# KiCad board bitdoglab_smd.kicad_pcb (continued)
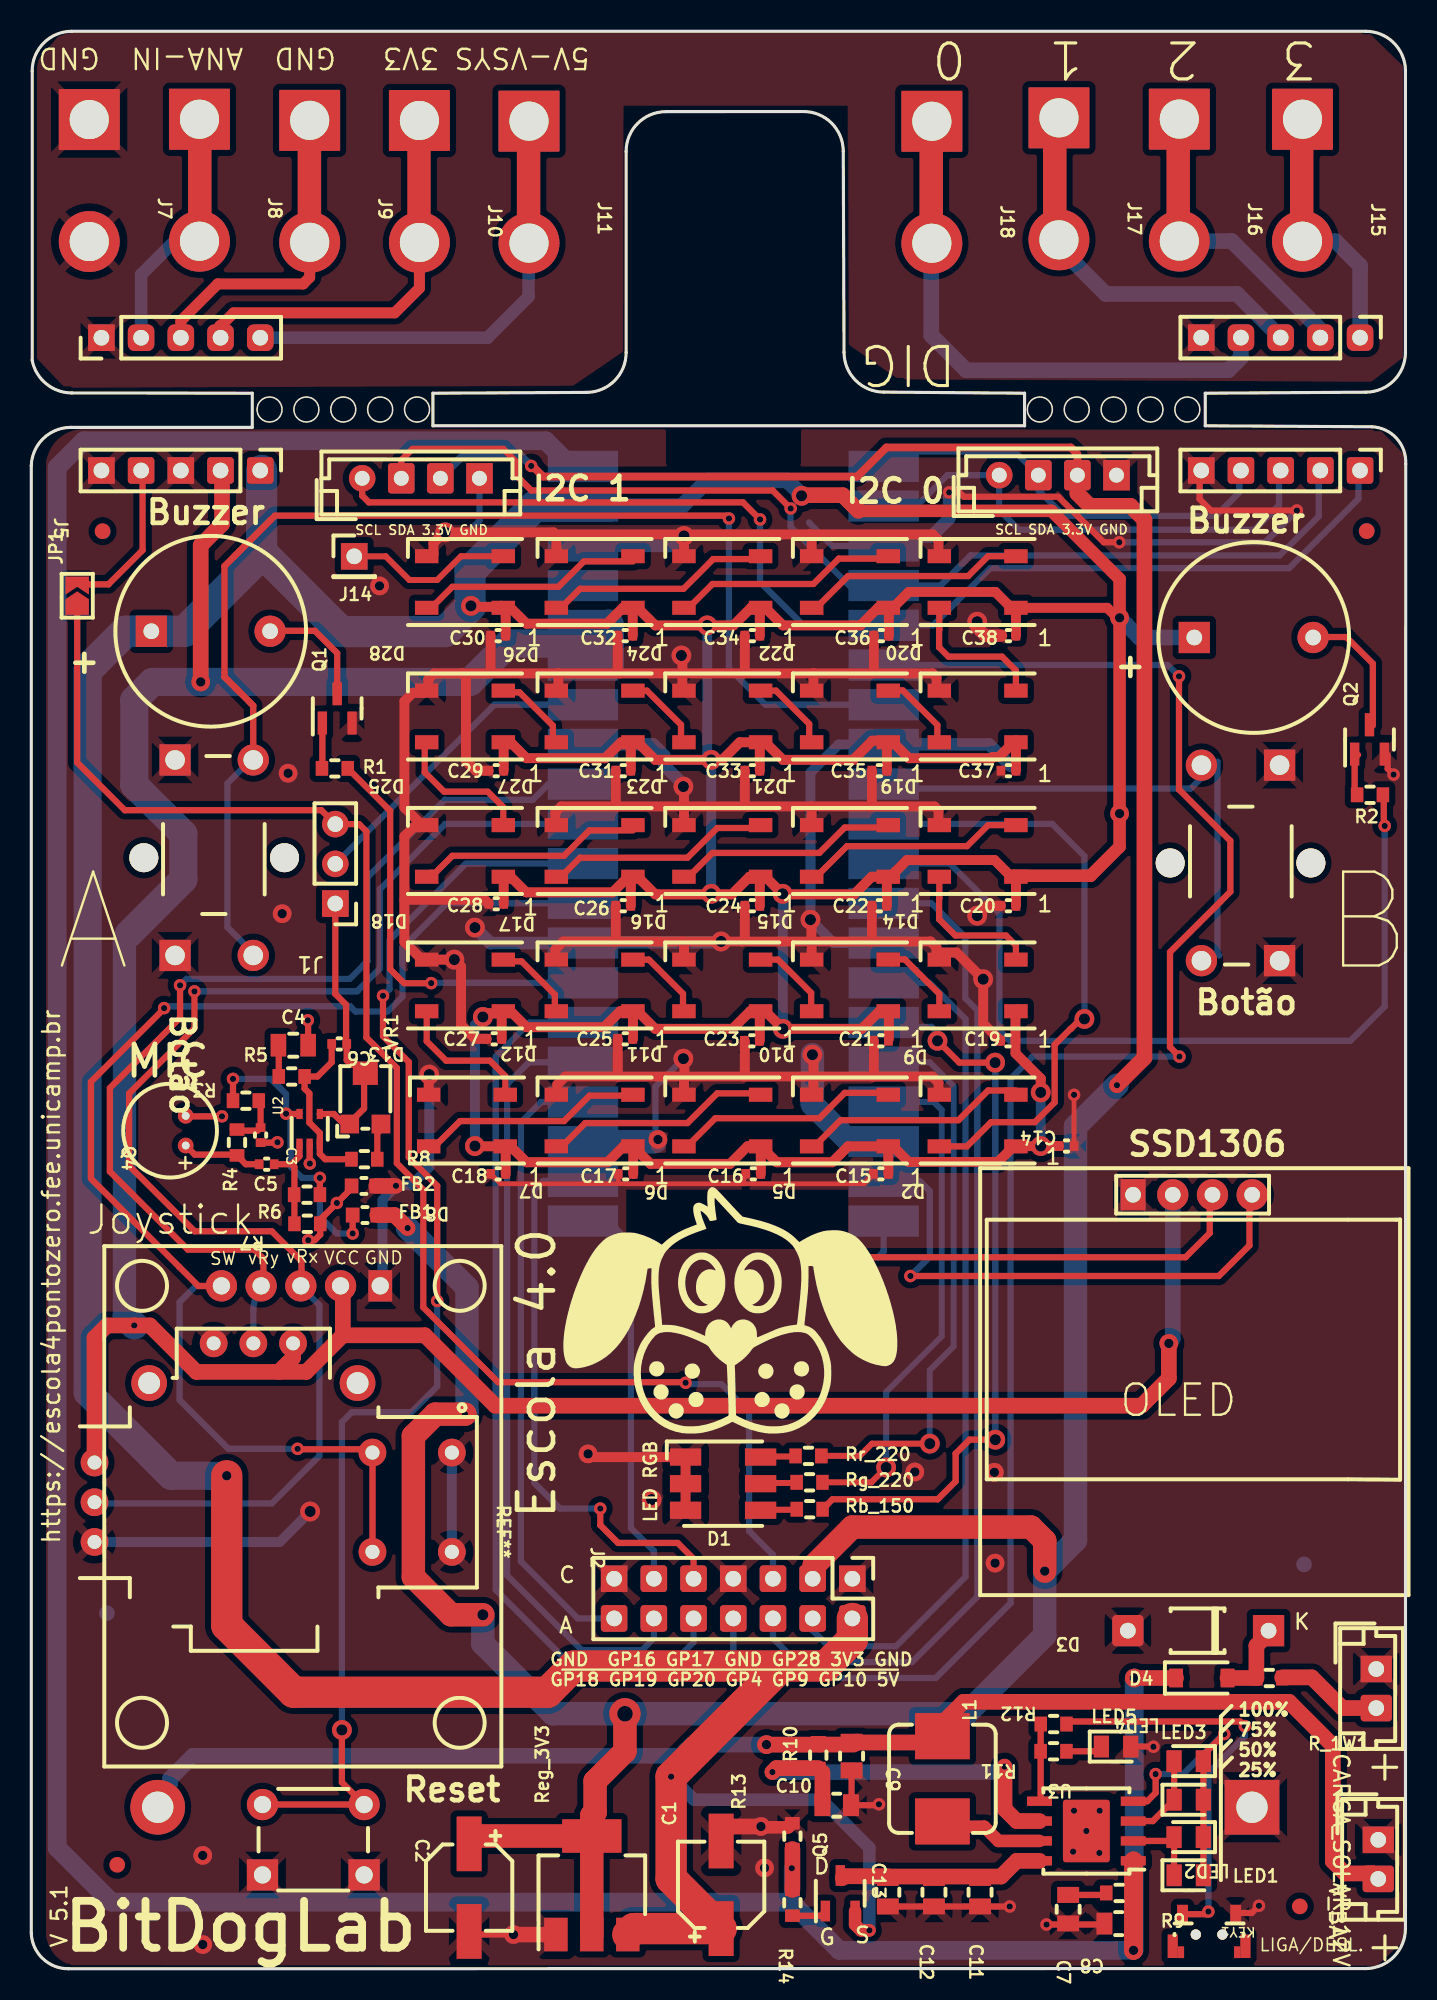
[diagram p0: board, top side]
## Footprints (pads in the part's own frame, mm; a bottom-side part is the same pattern mirrored in y, then rotated)
128x64OLED
  rect 1.6x2 hole 1: 1(-3.62,10.6)
  round 2 hole 1: 2(-1.08,10.6) 3(1.46,10.6) 4(4,10.6)
BatteryHolder_MPD_BH-18650-PC2
  round 3.5 hole 2: 1(0,0)
  rect 3.5x3.5 hole 2: 2(-70,0)
Buzzer_12x9.5RM7.6
  round 1 hole 0.5: 1(0.95,1) 2(-0.95,1)
Buzzer_12x9.5RM7.6#2
  rect 2x2 hole 1: 1(0,0)
  round 2 hole 1: 2(7.6,0)
C_0402_1005Metric
  rrect 0.56x0.62 smd: 1(-0.48,0) 2(0.48,0)
C_0805_2012Metric
  rrect 1x1.45 smd: 1(-0.95,0) 2(0.95,0)
CP_Elec_5x5.9
  rrect 3.5x1.6 smd: 1(-2.8,0) 2(2.8,0)
D_SOD-123
  rrect 0.9x1.2 smd: 1(-1.65,0) 2(1.65,0)
D_T-1_P5.08mm_Horizontal
  rect 2x2 hole 1: 1(-2,0)
  rrect 2x2 hole 1: 2(7,0)
Fiducial_1mm_Mask2mm
  round 1 smd: Un1(0,0)
JST_EH_B2B-EH-A_1x02_P2.50mm_Vertical
  rrect 1.7x2 hole 1: 1(0,0) 2(2.5,0)
JST_EH_B4B-EH-A_1x04_P2.50mm_Vertical
  round 1.7 hole 0.95: 1(0,0)
  rrect 1.7x1.95 hole 0.95: 2(2.5,0) 3(5,0)
  rect 1.7x1.95 hole 0.95: 4(7.5,0)
ky-023
  rect 2x1.524 hole 1.1: 1(2.54,-7.745)
  round 2 hole 1.1: 2(2.54,-10.285) 3(2.54,-12.825) 4(2.54,-15.365) 5(2.54,-17.905)
L_0603_1608Metric
  rrect 0.875x0.95 smd: 1(-0.787,0) 2(0.787,0)
L_Bourns_SRP7028A_7.3x6.6mm
  rect 2.95x3.5 smd: 1(-2.725,0) 2(2.725,0)
LED_0805_2012Metric
  rrect 0.975x1.4 smd: 1(-0.938,0) 2(0.938,0)
LED_RGB_5050-6
  rect 2x1.1 smd: 1(-2.4,1.7) 2(-2.4,0) 3(-2.4,-1.7) 4(2.4,-1.7) 5(2.4,0) 6(2.4,1.7)
LED_WS2812B_PLCC4_5.0x5.0mm_P3.2mm
  rect 1.5x0.9 smd: 1(-2.45,1.65) 2(-2.45,-1.65) 3(2.45,-1.65) 4(2.45,1.65)
PinHeader_1x01_P2.54mm_Vertical
  rect 1.7x1.7 hole 1: 1(0,0)
PinHeader_1x03_P2.54mm_Vertical
  rect 1.7x1.7 hole 1: 1(0,0)
  rrect 1.7x1.7 hole 1: 2(0,-2.54) 3(0,-5.08)
PinHeader_1x05_P2.54mm_Vertical
  rect 1.7x1.7 hole 1: 1(0,0)
  rrect 1.7x1.7 hole 1: 2(0,-2.54) 3(0,-5.08) 4(0,-7.62) 5(0,-10.16)
PinHeader_1x05_P2.54mm_Vertical#2
  rrect 1.7x1.7 hole 1: 1(0,0) 2(0,-2.54) 4(0,-7.62)
  rect 1.7x1.7 hole 1: 3(0,-5.08) 5(0,-10.16)
PinHeader_1x05_P2.54mm_Vertical#3
  rrect 1.7x1.7 hole 1: 1(0,0) 2(0,-2.54) 3(0,-5.08) 4(0,-7.62)
  rect 1.7x1.7 hole 1: 5(0,-10.16)
PinHeader_2x07_P2.54mm_Vertical
  rect 1.7x1.7 hole 1: 1(0,0) 7(0,-7.62) 13(0,-15.24)
  rrect 1.7x1.7 hole 1: 2(2.54,0) 3(0,-2.54) 4(2.54,-2.54) 5(0,-5.08) 6(2.54,-5.08) 8(2.54,-7.62) 9(0,-10.16) 10(2.54,-10.16) 11(0,-12.7) 12(2.54,-12.7) 14(2.54,-15.24)
Potentiometer_Bourns_TC33X_Vertical
  rect 1.2x1.2 smd: 1(-1.8,1) 3(-1.8,-1)
  rect 1.5x1.6 smd: 2(1.45,0)
R_0603_1608Metric
  rrect 0.8x0.95 smd: 1(-0.825,0) 2(0.825,0)
R_0603_1608Metric#2
  rrect 0.8x0.95 smd: 1(0.825,0) 2(-0.825,0)
R_0805_2012Metric
  rrect 1.025x1.4 smd: 1(-0.912,0) 2(0.912,0)
RPi_PicoW_SMD_TH
  rect 4.5x2 smd: 1(9.62,-24.13) 2(9.62,-21.59) 3(9.62,-19.05) 4(9.62,-16.51) 5(9.62,-13.97) 6(9.62,-11.43) 7(9.62,-8.89) 8(9.62,-6.35) 9(9.62,-3.81) 10(9.62,-1.27) 11(9.62,1.27) 12(9.62,3.81) 13(9.62,6.35) 14(9.62,8.89) 15(9.62,11.43) 16(9.62,13.97) 17(9.62,16.51) 18(9.62,19.05) 19(9.62,21.59) 20(9.62,24.13) 21(-9.62,24.13) 22(-9.62,21.59) 23(-9.62,19.05) 24(-9.62,16.51) 25(-9.62,13.97) 26(-9.62,11.43) 27(-9.62,8.89) 28(-9.62,6.35) 29(-9.62,3.81) 30(-9.62,1.27) 31(-9.62,-1.27) 32(-9.62,-3.81) 33(-9.62,-6.35) 34(-9.62,-8.89) 35(-9.62,-11.43) 36(-9.62,-13.97) 37(-9.62,-16.51) 38(-9.62,-19.05) 39(-9.62,-21.59) 40(-9.62,-24.13)
SolderJumper-2_P1.3mm_Open_TrianglePad1.0x1.5mm
  custom 1.5x1.5 smd: (0.275,0)
  custom 1.15x1.5 smd: (1.225,-0.75)
  rect 0.3x0.3 smd: 1(-0.725,0) 2(0.725,0)
SolderWire-2sqmm_1x02_P7.8mm_D2mm_OD3.9mm
  rrect 3.9x3.9 hole 2.5: 1(0,0)
  round 3.9 hole 2.5: 2(7.8,0)
SOP-8_5.28x5.23mm_P1.27mm
  rrect 1.6x0.6 smd: 1(-3,1.905) 2(-3,0.635) 3(-3,-0.635) 4(-3,-1.905) 5(3,-1.905) 6(3,-0.635) 7(3,0.635) 8(3,1.905)
  rrect 3x4 smd: 9(0,0)
SOT-23
  rrect 1.475x0.6 smd: 1(-0.938,0.95) 2(-0.938,-0.95) 3(0.938,0)
SOT-23-3
  rrect 1.325x0.6 smd: 1(-1.137,0.95) 2(-1.137,-0.95) 3(1.137,0)
SOT-223
  rect 2.15x1.5 smd: 1(-3.15,2.3) 2(-3.15,0) 3(-3.15,-2.3)
  rect 2.15x3.8 smd: 4(3.15,0)
SOT-353_SC-70-5
  rect 0.65x0.4 smd: 1(-0.95,0.65) 2(-0.95,0) 3(-0.95,-0.65) 4(0.95,-0.65) 5(0.95,0.65)
SW_PUSH_6mm
  round 2 hole 1.1: 1(0,0) 1(6.5,0)
  rect 2x2 hole 1.1: 2(0,-4.5) 2(6.5,-4.5)
SW_PUSH_6mm_b
  round 2 hole 1.25: 1(0,0) 1(12.5,0)
  rect 2x2 hole 1.25: 2(0,-5) 2(12.5,-5)
  round 1.85 hole 1.85: Un1(6.25,2) Un2(6.25,-7)
SW_SPST_CK_KMS2xxGP
  rrect 0.7x1.2 smd: 1(1.7,-1.3) 2(-1.7,-1.3)
  rect 0.4x0.75 smd: 3(1.8,1.13) 4(-1.8,1.13)
  rect 0.65x1.5 smd: 3(2.325,0.75) 4(-2.325,0.75)
  round 0.65 hole 0.65: Un1(-0.85,0) Un2(0.85,0)
XDCR_COM-09032
  round 1.778 hole 0.9: B1A(-3.175,12.7) B1B(3.175,12.7) B2A(-3.175,7.62) B2B(3.175,7.62)
  round 1.778 hole 0.889: H1(-2.54,-10.16) H2(0,-10.16) H3(2.54,-10.16) V1(-10.16,2.54) V2(-10.16,0) V3(-10.16,-2.54)
  round 2.286 hole 1.397: S1(-7.62,6.668) S2(-7.62,-6.668)

## Nets
+3.3V: C2.1 FB1.2 J2.3 J20.3 J21.3 Reg_3V3.2 Reg_3V3.4
/AGND_EXT: J6.3 J9.1 J9.2
AVCC: FB1.1 R3.2 R6.2 U2.5
GNDA: C3.2 C4.2 FB2.1 Q4.2 R7.1 U2.2
GNDREF: A1.3 A1.8 A1.13 A1.18 A1.23 A1.28 A1.33 A1.38 BT1.2 C1.2 C2.2 C7.2 C8.2 C9.2 C10.2 C11.2 C12.2 C13.2 C14.1 C15.1 C16.1 C17.1 C18.1 C19.1 C20.1 C21.1 C22.1 C23.1 C24.1 C25.1 C26.1 C27.1 C28.1 C29.1 C30.1 C31.1 C32.1 C33.1 C34.1 C35.1 C36.1 C37.1 C38.1 CARGA_SOLAR1.1 D1.1 D1.2 D1.3 D2.3 D3.2 D5.3 D6.3 D7.3 D8.3 D9.3 D10.3 D11.3 D12.3 D13.3 D14.3 D15.3 D16.3 D17.3 D18.3 D19.3 D20.3 D21.3 D22.3 D23.3 D24.3 D25.3 D26.3 D27.3 D28.3 FB2.2 J2.1 J2.7 J2.13 J5.3 J5.5 J6.1 J7.1 J7.2 J12.5 J13.5 J19.1 J20.4 J21.4 KEY1.2 LED5.2 OLED1.1 Q1.2 Q2.2 R13.2 REF**.B1A REF**.B1B REF**.H3 REF**.V3 Reg_3V3.1 SW1.2 SW2.2 SW3.2 U3.9 V_BAT1.1
VBUS: A1.40 C8.1 D4.1 R9.2 R13.1 R14.1 U3.1
3.3_OUT: A1.35 A1.36 J5.2 J19.2 OLED1.2 REF**.H1 REF**.V1
3.3_OUT_EXT: J6.4 J10.1 J10.2
/GP0: A1.1 J12.4 J21.2
/GP0_EXT: J13.4 J18.1 J18.2
/GP01: A1.2 J12.3 J21.1
/GP01_EXT: J13.3 J17.1 J17.2
/GP02: A1.4 J12.2 J20.2
/GP02_EXT: J13.2 J16.1 J16.2
/GP03: A1.5 J12.1 J20.1
/GP03_EXT: J13.1 J15.1 J15.2
/GP04: A1.6 J2.8
/GP08: A1.11 R2.1
/GP09: A1.12 J2.6
/GP10: A1.14 J2.4
/GP11: A1.15 Rb_150.2
/GP12: A1.16 Rr_220.2
/GP13: A1.17 Rg_220.2
/GP16: A1.21 J2.11
/GP17: A1.22 J2.9
/GP18: A1.24 J2.14
/GP19: A1.25 J2.12
/GP20: A1.26 J2.10
/GP28: J1.3 J2.5 JP1.1
/GP28_EXT: J6.2 J8.1 J8.2
/GP28_uC: A1.34 J1.2
/in: A1.10 D2.4
/pino_07: A1.7 SW2.1
/pino_09: A1.9 SW3.1
/pino_19: A1.19 OLED1.4
/pino_20: A1.20 OLED1.3
/pino_27: A1.27 R1.1
/pino_29: A1.29 J19.5 REF**.B2A REF**.B2B
/pino_30: A1.30 SW1.1
/pino_31: A1.31 J19.3 REF**.H2
/pino_32: A1.32 J19.4 REF**.V2
/pino_37: A1.37
V_BAT +: BT1.1 C9.1 L1.2 R10.2 V_BAT1.2
VSYS: A1.39 BZ1.1 BZ3.1 C1.1 C14.2 C15.2 C16.2 C17.2 C18.2 C19.2 C20.2 C21.2 C22.2 C23.2 C24.2 C25.2 C26.2 C27.2 C28.2 C29.2 C30.2 C31.2 C32.2 C33.2 C34.2 C35.2 C36.2 C37.2 C38.2 D2.1 D5.1 D6.1 D7.1 D8.1 D9.1 D10.1 D11.1 D12.1 D13.1 D14.1 D15.1 D16.1 D17.1 D18.1 D19.1 D20.1 D21.1 D22.1 D23.1 D24.1 D25.1 D26.1 D27.1 D28.1 J2.2 J5.1 Q5.2 Reg_3V3.3
VSYS_EXT: J6.5 J11.1 J11.2
Net-(BZ1-+): BZ1.2 Q1.3
Net-(BZ3-+): BZ3.2 Q2.3
Net-(C3-P$1): C3.1 R3.1 R4.2
Net-(C4-P$1): C4.1 R5.1
Net-(C5-P$1): C5.1 Q4.1 R4.1
Net-(C5-P$2): C5.2 R6.1 R7.2 U2.1
Net-(C6-P$1): C6.1 J1.1 U2.4 VR1.1 VR1.2
Net-(C6-P$2): C6.2 R5.2 R8.1 U2.3
Net-(C7-Pad1): C7.1 R9.1
Net-(CARGA_SOLAR1-Pin_2): CARGA_SOLAR1.2 R_1W1.2
Net-(D1-BA): D1.4 Rb_150.1
Net-(D1-GA): D1.5 Rg_220.1
Net-(D1-RA): D1.6 Rr_220.1
Net-(D2-DOUT): D2.2 D5.4
Net-(D3-K): D3.1 D4.2 R_1W1.1
Net-(D5-DOUT): D5.2 D6.4
Net-(D6-DOUT): D6.2 D7.4
Net-(D7-DOUT): D7.2 D8.4
Net-(D10-DIN): D10.4 D11.2
Net-(D10-DOUT): D9.4 D10.2
Net-(D11-DIN): D11.4 D12.2
Net-(D12-DIN): D12.4 D13.2
Net-(D13-DIN): D8.2 D13.4
Net-(D14-DIN): D9.2 D14.4
Net-(D14-DOUT): D14.2 D15.4
Net-(D15-DOUT): D15.2 D16.4
Net-(D16-DOUT): D16.2 D17.4
Net-(D17-DOUT): D17.2 D18.4
Net-(D18-DOUT): D18.2 D25.4
Net-(D19-DIN): D19.4 D21.2
Net-(D19-DOUT): D19.2 D20.4
Net-(D20-DOUT): D20.2 D22.4
Net-(D21-DIN): D21.4 D23.2
Net-(D22-DOUT): D22.2 D24.4
Net-(D23-DIN): D23.4 D27.2
Net-(D24-DOUT): D24.2 D26.4
Net-(D25-DOUT): D25.2 D27.4
Net-(D26-DOUT): D26.2 D28.4
Net-(D28-DOUT): D28.2 J14.1
Net-(J5-Pin_4): J5.4 JP1.2
Net-(KEY1-Pad1): KEY1.1 R12.1
Net-(LED1-A): LED1.1 LED2.2 U3.2
Net-(LED1-K): LED1.2 LED2.1 LED3.2 LED4.1 U3.4
Net-(LED3-A): LED3.1 LED4.2 U3.3
Net-(LED5-A): LED5.1 R11.1
Net-(Q1-B): Q1.1 R1.2
Net-(Q2-B): Q2.1 R2.2
Net-(Q5-D): C11.1 C12.1 C13.1 Q5.3 U3.8
Net-(Q5-G): Q5.1 R14.2
Net-(U3-BAT): C10.1 R10.1 U3.6
Net-(U3-KEY): R11.2 R12.2 U3.5
Net-(U3-SW): L1.1 U3.7
Net-(VR1-E): R8.2 VR1.3

Pads without a net: FID1 Un1; FID2 Un1; FID3 Un1; FID4 Un1; FID5 Un1; FID6 Un1; FID7 Un1; FID8 Un1; KEY1 3 4 Un1 Un2; REF** S1 S2; SW2 Un1 Un2; SW3 Un1 Un2

## Via types
v1: diameter 0.8, hole 0.4, Top to Bottom, 57 vias
v2: diameter 1.2, hole 0.6, Top to Bottom, 23 vias
v3: diameter 1.27, hole 0.711, Top to Bottom, 35 vias
v4: diameter 2, hole 1, Top to Bottom, 1 via

## Routing (per net, layer and track width the routed paths; a pad name or vN(x,y) marks a point on that pad's centre or on a via; arc(x,y) is an arc through that point)
+3.3V: length 242.1
  Top w0.5: v1(31.98,96.1) 32.06,96.1 32.74,95.42 52.84,95.42 54.7,97.28 66.5,97.28 66.78,97 ; J21.3 66.92,96.86
  Top w1: FB1.2 23.24,48.2 v1(24.07,47.36) ; J21.3 66.92,94.34 67.71,93.55 70.32,93.55 71.21,92.66 71.21,58.26 v1(69.45,56.5)
  Top w1.5: Reg_3V3.4 28.51,8.49 C2.1 ; v2(64.83,25.43) 64.83,27.36 63.95,28.24 52.53,28.24 50.09,25.8 50.09,25.04 J2.3 ; Reg_3V3.2 35.86,9.8 36.07,10.01 36.07,12 37.98,13.91 v4(37.98,16.3) ; v1(27.74,35.46) 25.84,35.46 24.44,34.06 24.44,25.05 26.86,22.63 v3(28.89,22.63)
  Bottom w0.5: v1(31.98,96.1) 31.27,96.81 27.67,96.81 J20.3
  Bottom w1.5: v1(69.45,56.5) 66.8,53.85 66.8,27.4 v2(64.83,25.43) 64.83,21.32 59.82,16.3 v4(37.98,16.3) 33.37,16.3 28.89,20.79 v3(28.89,22.63) ; v1(27.74,35.46) 27.87,35.59 27.87,43.56 v1(24.07,47.36)
/AGND_EXT: length 20.5
  Top w0.7: J9.2 17.81,108.16 17.39,107.74 11.93,107.74 9.57,105.37 J6.3
  Top w1.5: 17.79,110.35 17.79,118.15
AVCC: length 20.3
  Top w0.4: 18.46,50.58 v1(18.46,50.57) R6.2 ; R3.2 v1(12.9,56.9) 12.9,56.91 ; v1(20.56,47.02) FB1.1 ; U2.5 16.3,54.66 v1(16.3,54.68)
  Bottom w0.4: v1(20.56,47.02) 19.54,47.02 18.46,48.09 v1(18.46,50.57) 17.32,50.57 16.6,51.3 16.6,54.38 v1(16.3,54.68) 16.3,55.93 15.32,56.9 v1(12.9,56.9)
GNDA: length 11.1
  Top w0.4: C4.2 17.71,60.63 v1(17.69,60.65) ; v1(17.82,51.49) 17.81,51.48 U2.2 ; C3.2 15.73,52.83 v1(15.75,52.85) ; FB2.1 20.49,49.91 v1(19.55,48.97) 18.48,47.9 R7.1 18.48,46.94 18.13,46.59 v1(17.72,46.59) ; v1(12.2,54.51) 9.99,54.51 9.92,54.58
GNDREF: length 489.8
  Top w0.305: 37.59,50.19 37.55,50.23 C17.1 ; 37.59,50.19 30.02,50.19 29.55,50.67 29.52,50.67 29.46,50.73 29.46,50.76 C18.1 ; 37.59,50.19 45.59,50.19 ; C15.1 53.87,50.8 53.26,50.19 45.59,50.19 ; C16.1 45.59,50.71 45.59,50.19 ; C14.1 v1(66.71,55.88)
  Top w0.381: v3(39.68,30) 39.73,29.95
  Top w0.4: 28.01,2.24 28.06,2.19 ; 28.06,2.19 v2(30.85,2.19) ; 28.06,2.19 28.03,2.19 27.79,1.95 ; v1(58.72,94.41) 59.38,94.41 59.66,94.13 65.7,94.13 68.61,91.22 v1(69.6,91.22) ; 62.62,4.02 v1(62.59,3.98) C11.2 C12.2 C13.2 ; C9.2 52.47,10.49 C10.2 54.16,10.46 v1(54.22,10.52) ; 86.77,77.62 86.77,76.74 v1(87.15,76.36) ; 23.32,50.06 v1(23.33,50.07) ; v2(46.68,9.1) 46.88,9.3 ; v1(80.96,93.25) 75.47,93.25 74.74,93.98 74.74,95.81 ; v1(78.53,4.03) 78.07,3.57 77.11,3.57 ; LED5.2 71.77,14.21 v1(71.78,14.2) ; C8.2 68.59,2.83 v1(64.94,2.83) 64.9,2.83
  Top w0.635: C35.1 53.77,74.51 53.59,74.32 ; 41.65,82.83 45.59,82.83 ; 41.65,82.83 41.65,81.83 D23.3 ; 41.65,82.83 41.65,83.91 v3(41.59,83.98) ; 41.65,82.83 37.68,82.83 ; 45.59,82.83 45.64,82.89 C34.1 ; 45.59,82.83 50.03,82.83 ; 45.59,57.05 50.03,57.05 ; 45.59,57.05 45.64,57.11 45.64,59.34 ; 45.59,57.05 41.78,57.05 ; 50.03,57.05 53.84,57.05 ; 50.03,57.05 50.03,58.38 v3(49.97,58.45) ; 50.03,57.05 50.03,56.12 49.92,56.01 ; 58.09,56.16 58.03,56.21 58.03,56.67 57.65,57.05 53.84,57.05 ; 23.87,68.35 23.87,72.42 24.45,72.99 24.86,72.99 24.86,73.13 ; 23.87,68.35 23.87,65.65 24.74,64.78 ; 23.87,68.35 29.01,68.35 C28.1 ; 53.84,57.05 53.9,57.11 53.9,59.34 ; 49.91,65.69 49.91,67.02 v3(49.84,67.08) ; 49.91,65.69 45.46,65.69 ; 49.91,65.69 53.72,65.69 ; 49.91,65.69 49.92,65.67 D10.3 ; 27.55,82.83 29.33,82.83 ; 27.55,82.83 25.78,82.83 25.4,82.45 25.4,81.83 D25.3 25.16,81.59 24.41,81.59 23.87,81.05 23.87,74.25 24.99,73.13 D18.3 ; 27.55,82.83 27.81,82.58 27.81,77.24 28.44,76.61 C29.1 ; 29.33,82.83 33.71,82.83 ; 29.33,82.83 29.39,82.89 C30.1 ; D16.3 41.75,74.32 ; 41.75,74.32 41.75,75.55 v3(41.71,75.59) ; 41.75,74.32 45.84,74.32 ; 41.75,74.32 37.46,74.32 ; 45.84,74.32 49.91,74.32 ; 45.84,74.32 45.64,74.52 C33.1 ; 49.91,74.32 53.59,74.32 ; 49.91,74.32 49.92,74.31 D15.3 ; 41.65,65.69 41.75,65.58 D11.3 ; 41.65,65.69 v3(44.13,65.69) 45.46,65.69 ; 41.65,65.69 37.33,65.69 ; 50.03,82.83 50.03,81.84 D21.3 ; 50.03,82.83 53.84,82.83 ; C22.1 53.77,65.74 53.72,65.69 ; C27.1 28.38,59.46 27.49,60.35 27.49,64.1 v3(27.06,64.53) D13.3 ; C20.1 61.15,67.97 v3(60.51,67.34) ; 53.72,65.69 57.53,65.69 57.91,65.31 57.91,64.98 59.18,64.98 v3(60.89,63.27) 60.89,60.44 C19.1 ; D12.3 33.52,64.59 33.52,65.18 34.03,65.69 37.33,65.69 ; 41.78,57.05 37.59,57.05 ; 41.78,57.05 41.75,57.03 41.75,55.98 ; 41.78,57.05 41.78,58.13 v3(41.71,58.19) ; C36.1 53.9,82.89 53.84,82.83 ; 45.46,65.69 45.64,65.87 C24.1 ; D27.3 33.71,81.85 33.71,82.83 ; 53.59,74.32 57.78,74.32 58.03,74.07 58.03,73.18 D14.3 ; 37.46,74.32 33.9,74.32 33.52,73.94 33.52,73.19 D17.3 ; 37.46,74.32 37.39,74.39 C31.1 ; 33.71,82.83 37.68,82.83 ; D26.3 33.59,91.66 33.52,91.72 ; 37.59,57.05 37.52,57.12 C25.1 ; 37.59,57.05 34.16,57.05 33.65,56.54 33.65,55.95 D7.3 ; D28.3 25.59,90.32 25.73,90.46 25.73,91.16 26.42,91.85 v3(26.47,91.85) 33.4,91.85 33.52,91.72 ; D24.3 v3(41.75,91.62) ; 37.33,65.69 37.39,65.74 C26.1 ; 33.52,91.72 49.78,91.72 ; D19.3 58.04,81.73 57.91,81.86 57.91,82.58 57.65,82.83 53.84,82.83 ; C32.1 37.52,83 37.68,82.83 ; D2.3 58.22,56.02 ; 49.78,91.72 57.66,91.72 58.03,91.35 58.03,90.38 D20.3 ; 49.78,91.72 49.92,91.58 D22.3 ; D1.3 D1.2 D1.1 35.98,32.72 35.77,32.92 v2(35.62,32.92) ; D8.3 25.42,57.14 v3(25.46,57.18)
  Top w0.8: R13.2 48.43,9.05 46.73,9.05 v2(46.68,9.1) ; v3(60.51,86.13) 60.51,85.75 61.02,85.25 C38.1
  Top w1: FB2.2 23.32,50.06 ; v2(30.85,2.19) Reg_3V3.1 ; 44.07,9.1 v2(46.68,9.1)
  Bottom w0.4: 39.9,52.89 40.04,53.03 v2(40.09,53.03) 39.93,53.18 39.93,56.41 v3(41.71,58.19) ; v1(80.96,93.25) 78.93,91.22 v1(69.6,91.22) ; J20.4 28.67,92.6 27.92,91.85 v3(26.47,91.85) ; 52.9,52.89 A1.18 ; 53.9,90.99 51.23,90.99 49.76,92.46 49.76,92.49
  Bottom w0.635: 22.47,43.66 22.47,49.16 23.33,50.02 v1(23.33,50.07) 23.36,50.1 24.29,50.1 25.46,51.26 v3(25.46,57.18) ; A1.8 51.65,78.29 49.84,76.48 v3(49.84,67.08) 51.34,65.59 A1.13 ; REF**.H3 15.89,27.29 v3(17.84,29.24) ; REF**.B1B REF**.B1A
  Bottom w0.8: 53.9,90.99 A1.3 55.13,91.59 57.58,91.59 58.72,92.72 v1(58.72,94.41) ; v3(44.13,65.69) 44.08,65.64 35.34,65.64 A1.28 29.37,65.59 v3(28.38,66.58) ; v3(41.75,91.62) 41.63,91.62 40.99,90.99 A1.38 ; A1.33 39.78,78.29 40.49,77.58 40.49,76.94 41.71,75.72 v3(41.71,75.59) ; 62.65,76.92 61.28,78.29 A1.8
  Bottom w1.5: v3(49.97,58.45) 49.97,55.27 52.36,52.89 52.9,52.89 ; 36.92,52.89 39.9,52.89
  vias: v1(66.64,7.49) v1(66.7,10.11) v1(67.49,8.81) v1(68.34,10.11) v1(68.32,7.41) v2(10.97,7.25) v2(10.97,1.55) v2(16.05,67.47) v2(16.43,76.45) v2(22.28,88.43) v2(35.2,42.55) v2(46.91,6.45) v2(56.52,31.77) v2(61.61,31.75) v2(61.65,25.94)
VBUS: length 235.5
  Top w0.4: 70.41,4.49 70.39,4.51 70.39,6.8 U3.1
  Top w0.8: U3.1 70.49,2.91 C8.1
  Top w1: v2(70.56,18.59) D4.1 ; R14.1 R13.1
  Top w1.2: v2(70.51,1.18) 70.51,6.9
  Bottom w1: 48.28,4.26 48.65,4.63 v1(48.65,6.43) 48.65,4.22 ; v2(70.51,1.18) 70.56,1.23 ; 34.55,96.07 36.92,96.07
  Bottom w1.2: 70.56,1.23 v2(70.56,18.59) ; v2(70.51,1.18) 51.69,1.18 48.65,4.22 ; 34.55,96.07 32.91,97.71 3.36,97.71 1.66,96.01 1.66,7.73 5.13,4.26 48.28,4.26
3.3_OUT: length 190.7
  Top w1: 12.2,95.81 12.2,92.38 10.84,91.02 v2(10.84,82.29) ; REF**.H1 4.05,40.34 4.84,41.14 v1(6.59,41.14) 7.59,41.14 10.56,38.17 15.84,38.17 ; 19.93,40.51 25.18,40.51 29.68,36.01 71.03,36.01 72.77,37.75 v2(72.77,39.99) ; 19.93,40.51 17.59,38.17 15.84,38.17 ; 19.93,40.51 19.93,43.66 ; 15.84,38.17 16.75,39.07 REF**.V1
  Bottom w0.4: 72.7,40.06 v2(72.77,39.99)
  Bottom w1: v2(72.77,39.99) 72.77,40.04 73.02,40.29 OLED1.2
  Bottom w1.5: 6.24,41.49 5.96,41.77 5.96,65.89 6.24,66.17
  Bottom w1.8: 6.24,41.49 v1(6.59,41.14) ; 6.24,66.17 9.73,69.66 9.73,72.57 6.59,75.71 6.59,81.13 7.75,82.29 v2(10.84,82.29) 28.07,82.29 30.52,84.74 36.92,84.74
  Bottom w2: 36.92,83.37 36.92,85.91
3.3_OUT_EXT: length 25.2
  Top w0.7: J10.2 24.83,107.47 23.25,105.89 12.95,105.89 12.11,105.04
  Top w0.8: J6.4 12.11,105.04
  Top w1.5: 24.8,110.35 24.8,118.15
/GP0: length 29.1
  Bottom w0.4: 77.28,95.81 77.28,94.41 75.78,92.91 66.07,92.91 64.42,94.56 J21.2 62.9,97.03 56.28,97.03 55.32,96.07 52.9,96.07
/GP0_EXT: length 36.1
  Top w1.5: 57.57,110.36 57.57,118.16
  Bottom w1: J13.4 77.38,103.02 76.58,102.22 59.81,102.22 57.57,104.45 57.57,110.36
/GP01: length 33.4
  Bottom w0.4: 52.9,93.53 56.62,93.53 58.6,95.51 J21.1 61.92,93.29 63.19,92.02 78.25,92.02 79.82,93.59 79.82,95.81
/GP01_EXT: length 24.8
  Top w1.5: 65.47,110.36 65.47,118.16
  Bottom w1: 65.47,110.36 68.73,107.1 77.13,107.1 J13.3
/GP02: length 69.6
  Top w0.4: J20.2 23.67,96.47 24.39,97.19 30.2,97.19 31.06,96.33 31.06,95.46 31.99,94.53 47.43,94.53 v1(48.58,93.38)
  Bottom w0.4: 82.36,95.81 82.36,92.88 79.86,90.38 60.09,90.38 58.16,88.45 A1.4 ; v1(48.58,93.38) 48.57,93.37 48.57,92.22 52.34,88.45 54.39,88.45
/GP02_EXT: length 19.7
  Top w1.5: 73.37,110.36 73.37,118.16
  Bottom w1: J16.2 76.79,110.48 82.46,104.8 J13.2
/GP03: length 76.6
  Top w0.4: J20.1 21.17,94.2 21.6,93.77 45.53,93.77 v1(46.62,92.68)
  Bottom w0.4: v1(46.62,92.68) 46.62,88.68 49.39,85.91 53.8,85.91 ; 53.8,85.91 A1.5 57.69,85.91 61.34,89.56 80.46,89.56 84.9,94 84.9,95.81 ; 53.8,85.91 53.95,86.06 54.53,86.06
/GP03_EXT: length 17.3
  Top w1.5: 81.27,110.36 81.27,118.16
  Bottom w0.4: 80.72,110.36 81.27,110.36
  Bottom w1: J15.2 83.44,110.47 85,108.9 J13.1
/GP04: length 116.1
  Top w0.4: v1(73.45,58.33) 72.84,58.93 72.84,65.01 76.7,68.87 76.7,72.12 73.42,75.41 v1(73.42,82.65)
  Bottom w0.4: v1(73.42,82.65) 72.7,83.37 52.9,83.37 ; J2.8 44.91,19.86 46.18,18.59 57.86,18.59 62.65,23.38 62.65,56.93 64.05,58.33 v1(73.45,58.33)
/GP08: length 57
  Top w0.4: 86.52,75.06 86.52,73.14 v1(86.58,73.08)
  Bottom w0.4: v1(86.58,73.08) 86.58,61.54 84.38,59.34 62.6,59.34 61.93,60.01 61.93,67.52 61.79,67.66 61.78,67.66 58.77,70.67 53.15,70.67
/GP09: length 66.9
  Bottom w0.4: J2.6 47.45,21.13 48.97,19.61 56.34,19.61 60.52,23.79 60.52,61.29 59.75,62.06 59.75,65.97 57.59,68.13 52.9,68.13
/GP10: length 56.3
  Bottom w0.4: J2.4 49.99,21.64 51,20.62 55.32,20.62 59.76,25.07 59.76,60.73 57.45,63.05 52.9,63.05
/GP11: length 48.2
  Top w0.4: v3(61.65,57.94) 59.37,57.94 v3(57.97,59.34) ; v3(61.67,33.83) 60.02,33.83 59.13,32.94 59.13,31.16 57.99,30.02 51.26,30.02 50.9,29.66 50.82,29.66 50.62,29.46 Rb_150.2
  Bottom w0.4: v3(61.67,33.83) 61.67,57.93 v3(61.65,57.94) ; v3(57.97,59.34) 57.97,59.85 57.59,60.23 54.81,60.23 A1.15 52.9,60.51
/GP12: length 35.9
  Top w0.381: 57.42,33.63 v3(57.48,33.58) 53.78,33.58 53,32.79 Rr_220.2
  Bottom w0.381: v3(57.48,33.58) 57.48,38.27 59,39.8 59,56.44 57.47,57.97 A1.16
/GP13: length 32.7
  Top w0.381: Rg_220.2 53.74,31.1 54.68,32.05 v3(54.68,32.05)
  Bottom w0.381: A1.17 57.73,55.43 58.24,54.91 58.24,40.43 54.68,36.88 v3(54.68,32.05)
/GP16: length 24.1
  Bottom w0.4: J2.11 39.83,26.72 38.36,28.18 38.36,46.37 36.92,47.81
/GP17: length 37.8
  Top w0.4: v1(36.4,29.43) 36.4,28.37 37.54,27.23 41.35,27.23 42.37,26.21 J2.9
  Bottom w0.4: 36.92,50.35 36.89,50.38 32.75,50.38 32.18,49.81 32.18,31.07 33.82,29.43 v1(36.4,29.43)
/GP18: length 41.7
  Bottom w0.4: J2.14 34.96,22.4 31.32,26.05 31.32,54.13 32.62,55.43 36.92,55.43
/GP19: length 51.4
  Bottom w0.4: 36.92,57.97 31.84,57.97 30.44,56.57 30.44,25.15 35.22,20.37 39.06,20.37 39.83,21.13 J2.12
/GP20: length 59
  Bottom w0.4: 36.92,60.51 31.89,60.51 29.71,58.33 29.71,24.23 34.58,19.35 40.84,19.35 42.37,20.88 J2.10
/GP28: length 97.1
  Top w0.4: JP1.1 2.94,77.13 5.99,74.08 18.56,74.08 J1.3 20.97,73.19 21.44,72.72 21.44,59.55 23.39,57.6 23.39,51.5 25.08,49.81 25.08,42.29 29.86,37.51 41.82,37.51 v1(41.86,37.47)
  Bottom w0.4: v1(41.86,37.47) 41.94,37.39 44.14,37.39 45.92,35.61 45.92,27.99 47.45,26.46 J2.5
/GP28_EXT: length 16.9
  Top w1.5: 10.78,110.35 10.78,118.15
  Bottom w0.4: 10.78,110.35 11.19,110.35
  Bottom w0.8: J8.2 9.17,110.47 7.03,108.32 J6.2
/GP28_uC: length 20.1
  Bottom w0.4: A1.34 29.62,80.83 J1.2
/in: length 40.5
  Top w0.4: D2.4 59.86,52.59 61.4,54.13 64.19,54.13 65.46,55.4 65.46,59.08 66.48,60.1 66.5,60.1 67.13,60.73 v3(67.37,60.73)
  Bottom w0.4: v3(67.37,60.73) 67.37,71.15 65.31,73.21 A1.10 52.9,73.21
/pino_07: length 87.9
  Top w0.4: 12.36,82.61 12.36,89.69 ; 12.36,82.61 13.2,81.76 ; 12.36,82.61 14.2,80.77 ; 15.33,92.66 15.59,92.92 44.45,92.92 v1(44.63,92.74) ; 15.33,92.66 13.97,91.3 ; 15.33,92.66 12.36,89.69 ; 13.97,91.3 12.36,89.69 ; 13.97,91.3 12.98,90.31 ; 13.2,81.76 14.2,80.77 ; 13.2,81.76 12.98,81.99 ; 14.2,77.45 14.2,80.77
  Bottom w0.4: v1(44.63,92.74) 44.63,83.17 46.97,80.83 52.9,80.83 ; 14.2,77.45 12.55,75.8 12.55,66.6 14.2,64.95
/pino_09: length 36.2
  Bottom w0.4: 52.9,75.75 53.18,75.47 74.17,75.47 75.88,77.18 75.88,64.92 76,64.8
/pino_19: length 36.5
  Top w0.4: 77.93,49.49 77.93,46.25 75.97,44.3 v1(56.24,44.3)
  Bottom w0.4: 52.9,50.35 A1.19 56.86,50.35 57.48,49.73 57.48,45.53 v1(56.24,44.3)
/pino_20: length 29.3
  Top w0.4: v1(52.9,45.5) 73.84,45.5 75.39,47.04 75.39,49.49
  Bottom w0.4: v1(52.9,45.5) 54.16,45.5 54.53,45.86 A1.20
/pino_27: length 28.4
  Top w0.4: 25.59,63.02 23.85,63.02 22.96,63.91 22.96,74.04 R1.1
  Bottom w0.4: 25.48,63.05 A1.27 36.92,63.05
  vias: v1(25.58,63.02)
/pino_29: length 85.4
  Top w0.4: REF**.B2B REF**.B2A 21.62,33.22 17.07,33.22 v1(17.04,33.25) ; v1(8.5,61.43) 8.5,61.4 3.82,56.72 3.82,50.53 10.69,43.66 12.31,43.66
  Bottom w0.4: v1(8.5,61.43) 8.62,61.55 20.4,61.55 20.74,61.21 22.79,61.21 23.74,62.16 23.74,65.29 26.58,68.13 A1.29 ; v1(17.04,33.25) 12.61,33.25 9.49,36.37 9.49,42.63 10.52,43.66 12.31,43.66
/pino_30: length 84.8
  Top w0.4: v1(25.97,42.7) 25.97,50.07 24.15,51.89 24.15,57.98 22.5,59.63 v1(22.5,62.22) ; SW1.1 SW1.1 19.87,11.92 v3(19.87,15.27)
  Bottom w0.4: v1(22.5,62.22) 22.92,62.64 22.92,65.79 27.8,70.67 36.92,70.67 ; v1(25.97,42.7) 25.97,37.24 24.32,35.59 20.51,35.59 19.87,34.95 v3(19.87,15.27)
/pino_31: length 87
  Top w0.4: 17.29,43.76 17.29,45.26 15.39,47.16 10.45,47.16 6.26,51.35 6.26,55.97 10.44,60.15 v1(10.44,62.5)
  Bottom w0.4: 17.39,43.48 18.43,42.44 18.43,32.8 15.39,29.76 4.12,29.76 REF**.H2 ; v1(10.44,62.5) 10.45,62.51 20.85,62.51 22.3,63.96 22.3,69.03 26.48,73.21 A1.31
/pino_32: length 65.9
  Top w0.4: 14.85,43.66 14.85,45.41 14.27,45.99 10.02,45.99 5.03,50.98 5.03,56.32 9.52,60.8 v1(9.52,62.89)
  Bottom w0.4: 35.51,75.75 33.08,75.75 32.08,74.75 26.46,74.75 21.51,69.8 21.51,64.44 20.37,63.3 9.93,63.3 v1(9.52,62.89) ; REF**.V2 14.21,42.1 arc(14.37,42.94) 14.85,43.66
V_BAT +: length 90.8
  Top w0.4: 50.42,14.33 50.43,14.33 ; 52.81,14.53 52.49,14.21 ; L1.2 58.28,15.71
  Top w1: 50.43,14.33 52.61,14.33 ; v2(47.03,14.33) 50.42,14.33 ; 57.99,14.53 57.93,14.47 52.88,14.47 52.81,14.53 ; V_BAT1.2 85.81,6.09 84.04,6.09 83.26,6.87 83.26,14.27 80.47,17.07 59.64,17.07 58.28,15.71
  Bottom w1: BT1.1 8.09,11 8.87,11.78 8.87,12.14 10.35,13.62 41.51,13.62 42.22,14.33 v2(47.03,14.33)
VSYS: length 539.8
  Top w0.635: 38.19,78.43 37.73,78.43 36.72,77.41 31.68,77.41 30.62,78.47 ; D10.1 54.86,61.19 54.86,59.46 ; D22.1 54.86,86.99 C36.2 ; 54.52,69.83 53.76,69.83 52.64,68.7 48.08,68.7 ; 38.48,69.83 38.35,69.69 C26.2 ; D15.1 55.12,69.83 55.25,69.96 55.25,70.13 56.02,70.89 61.62,70.89 62.55,69.96 62.85,69.96 D14.1 C20.2 ; C29.2 30.22,78.4 D25.1 ; D7.1 39.61,51.46 44.69,51.46 45.82,52.59 D6.1 46.67,52.59 ; D7.1 38.51,52.57 C17.2 ; D7.1 37.89,52.59 36.87,51.57 31.68,51.57 30.62,52.63 ; C27.2 30.09,61.13 ; 30.09,61.13 D13.1 ; 30.09,61.13 30.06,61.09 29.29,61.09 29.06,60.86 v3(28.89,60.86) ; 55.12,78.43 56.14,77.41 61.44,77.41 61.52,77.49 61.9,77.49 62.99,78.57 ; 46.6,59.34 46.6,61.18 D11.1 ; v3(28.13,87.15) 28.19,87.09 30.01,87.09 30.07,87.15 D28.1 30.22,87.02 30.35,86.89 C30.2 ; 62.96,59.46 62.96,61.2 ; C32.2 38.48,87.01 ; 38.79,61.23 39.91,60.1 44.86,60.1 45.98,61.23 46.35,61.23 ; D2.1 63,52.6 64.57,52.6 v3(64.57,52.61) C14.2 ; 38.19,61.23 37.67,61.23 36.66,60.21 31.68,60.21 30.62,61.27 ; C34.2 46.6,86.97 D24.1 ; 46.95,69.83 48.06,68.73 ; C19.2 62.96,58.54 64.57,56.92 v3(64.57,56.04) ; C24.2 46.6,69.78 D16.1 ; v2(69.62,86.39) 69.47,86.39 68.83,87.02 D20.1 ; v3(28.38,52.61) 28.4,52.59 D8.1 ; 38.79,69.83 39.91,68.7 44.82,68.7 45.94,69.83 46.35,69.83 ; 46.95,78.43 48.08,77.3 52.58,77.3 53.8,78.53 54.42,78.53 54.52,78.43 ; C16.2 46.67,52.59 ; 46.67,52.59 47.69,51.57 51.24,51.57 52.26,52.59 D5.1 54.83,52.59 ; C33.2 46.6,78.38 D23.1 45.32,78.43 44.2,77.3 v3(43.49,77.3) 39.91,77.3 38.79,78.43 ; 38.19,69.83 37.19,68.83 31.66,68.83 30.62,69.87 ; 38.48,78.43 38.35,78.29 C31.2 ; 46.95,87.02 48.08,85.9 53.04,85.9 54.16,87.02 54.52,87.02 ; D9.1 63.12,61.36 ; D12.1 38.49,59.48 C25.2 ; C35.2 54.73,78.34 D21.1 ; 30.62,87.06 31.68,86.01 36.82,86.01 37.84,87.02 38.19,87.02 ; 46.95,61.23 v3(48.08,60.1) 53.13,60.1 54.25,61.23 54.52,61.23 ; 38.79,87.02 39.91,85.9 v3(43.24,85.9) 44.92,85.9 46.04,87.02 46.35,87.02 ; D20.1 62.69,87.02 61.67,88.04 56.14,88.04 55.12,87.02 ; D20.1 C38.2 ; C37.2 D19.1 ; 62.91,52.66 61.84,51.59 56.12,51.59 55.12,52.59 54.83,52.59 ; 54.83,52.59 C15.2 ; C18.2 30.35,52.59 ; C28.2 30.22,69.8 D18.1 ; C22.2 54.73,69.74
  Top w0.8: v1(53.61,2.46) 53.07,2.46 52.7,2.83 Q5.2 ; 52.91,93.23 65.26,93.23 69.62,88.87 v2(69.62,86.39) v2(69.62,73.87) 69.62,71.75 67.76,69.89 62.92,69.89
  Top w1: 52.91,93.23 51.91,94.23 49.3,94.23
  Top w2: J2.2 52.53,21.05 50.83,19.36 48.01,19.36 ; 48.01,19.36 v1(40.93,12.28) 40.93,5.77 C1.1 38.54,2.57 Reg_3V3.3 ; 48.01,19.36 34.7,19.36 33.03,17.68 16.78,17.68 12.5,21.95 v2(12.5,31.52)
  Bottom w0.4: 69.5,73.75 v2(69.62,73.87)
  Bottom w0.635: v3(48.06,68.74) 48.08,68.72 v3(48.08,60.1) ; v3(43.24,85.9) 43.24,77.73 43.49,77.47 v3(43.49,77.3) v3(43.49,68.74) ; v3(28.89,60.86) 28.38,60.35 v3(28.38,52.61) ; v3(64.57,52.61) v3(64.57,56.04)
  Bottom w0.8: v1(40.93,12.28) 42.4,10.81 50.54,10.81 53.61,7.73 v1(53.61,2.46)
  Bottom w1: BZ3.1 70.88,85.13 v2(69.62,86.39) ; 36.92,93.53 41.61,93.53 43.25,95.17 48.36,95.17 49.3,94.23
  Bottom w1.8: 3.75,83.24 3.61,83.1 3.61,36.86 8.94,31.52 v2(12.5,31.52)
  Bottom w2: 14.74,90.58 19.81,85.51 26.48,85.51 v3(28.13,87.15) ; 14.74,90.58 14.74,90.45 9.82,85.53 BZ1.1 6.04,85.53 3.75,83.24 ; 14.74,90.58 14.74,95.81 ; 36.92,93.53 A1.39 32.21,93.53 28.07,89.38 28.07,87.15
  vias: v3(49.27,94.19)
VSYS_EXT: length 29.5
  Top w1.5: 31.81,110.35 31.81,118.15
  Bottom w0.8: 31.81,110.35 31.81,106.92 29.19,104.3 J6.5
Net-(BZ1-+): length 7.6
  Top w0.4: Q1.3 19.57,84.13 18.14,85.56 15.12,85.56
Net-(BZ3-+): length 8.4
  Top w0.4: 82.12,85.16 84.12,85.16 85.82,83.46 85.82,79.49
Net-(C3-P$1): length 3.7
  Top w0.4: 12.88,53.69 12.97,53.6 14.48,53.6 C3.1 14.67,55.39 R3.1
Net-(C4-P$1): length 2
  Top w0.4: R5.1 15.83,59.03 C4.1
Net-(C5-P$1): length 5.2
  Top w0.4: Q4.1 10.46,52.06 13.11,52.06 13.72,51.45 C5.1
Net-(C5-P$2): length 6.5
  Top w0.4: C5.2 16.65,51.45 ; 16.65,51.45 17.16,51.96 U2.1 ; 16.65,51.45 16.83,51.26 R7.2
Net-(C6-P$1): length 17.7
  Top w0.4: 20.03,53.98 19.36,54.66 U2.4 ; 21.19,57.08 21.19,57.39 20.77,57.81 20.46,57.81 20.18,58.09 C6.1 20.14,59.18 20.14,61.64 19.45,62.33 J1.1 ; 20.15,53.87 20.22,53.87 VR1.1 20.77,54.41 20.77,54.49 21.29,55.01 21.29,57.18 VR1.2
Net-(C6-P$2): length 10.8
  Top w0.4: C6.2 19.22,57.97 18.31,57.06 R5.2 17.48,56.28 17.79,55.98 17.79,54.11 18.46,53.44 U2.3 18.46,52.11 18.8,51.77 R8.1
Net-(C7-Pad1): length 2.5
  Top w0.4: R9.1 68.64,4.72 C7.1
Net-(CARGA_SOLAR1-Pin_2): length 6.8
  Top w1: CARGA_SOLAR1.2 83.88,16.67 81.91,18.63 80.02,18.63
Net-(D1-BA): length 2.3
  Top w0.381: D1.4 46.69,29.35 48.94,29.35 Rb_150.1
Net-(D1-GA): length 2.3
  Top w0.381: D1.5 46.7,31.06 48.92,31.06 Rg_220.1
Net-(D1-RA): length 2.3
  Top w0.381: Rr_220.1 48.85,32.76 46.69,32.76 D1.6
Net-(D2-DOUT): length 14.5
  Top w0.4: 49.92,52.71 50.22,52.71 51.77,54.26 59.3,54.26 61.21,56.16 62.99,56.16
Net-(D3-K): length 5.2
  Top w1: D4.2 R_1W1.1 78.37,20.66 79.26,21.54
Net-(D5-DOUT): length 14.4
  Top w0.4: 41.75,52.68 42.05,52.68 43.76,54.38 50.41,54.38 52.04,56.01 54.82,56.01
Net-(D6-DOUT): length 14.2
  Top w0.4: 46.65,55.98 43.88,55.98 41.98,54.08 35.44,54.08 33.89,52.53
Net-(D7-DOUT): length 14.1
  Top w0.4: 38.49,55.83 35.71,55.83 34.08,54.2 27.43,54.2 25.72,52.5
Net-(D10-DIN): length 5.4
  Top w0.4: 49.89,61.23 49.89,62.4 47.76,64.53 46.59,64.53
Net-(D10-DOUT): length 5.7
  Top w0.4: 55.03,64.29 54.79,64.53 54.81,64.54 55.88,64.54 58.09,62.33 D9.4
Net-(D11-DIN): length 5.3
  Top w0.4: 38.39,64.53 39.51,64.53 41.69,62.35 41.69,61.23
Net-(D12-DIN): length 5.3
  Top w0.4: D13.2 30.3,64.42 31.36,64.42 33.49,62.29 33.49,61.23
Net-(D13-DIN): length 9
  Top w0.4: D13.4 25.29,59.31 26.54,58.07 29.33,58.07 30.32,57.08 30.32,55.93
Net-(D14-DIN): length 9.2
  Top w0.4: D9.2 62.99,65.43 62.35,66.07 59.11,66.07 58.07,67.11 58.07,68.43 58.09,68.45 D14.4
Net-(D14-DOUT): length 14.4
  Top w0.4: D14.2 61.21,73.13 59.86,71.78 52.18,71.78 50.22,69.83 D15.4
Net-(D15-DOUT): length 14.4
  Top w0.4: 54.82,72.97 52.04,72.97 50.41,71.35 43.58,71.35 42.05,69.83 D16.4
Net-(D16-DOUT): length 14.4
  Top w0.4: 46.65,72.94 43.88,72.94 41.98,71.04 35.1,71.04 33.89,69.83 D17.4
Net-(D17-DOUT): length 14.4
  Top w0.4: D18.4 25.54,70.08 25.84,70.08 26.94,71.17 34.08,71.17 35.71,72.79 38.49,72.79
Net-(D18-DOUT): length 9
  Top w0.4: D18.2 30.19,74.28 29.21,75.27 26.41,75.27 25.17,76.51 25.17,78.43
Net-(D19-DIN): length 5.7
  Top w0.4: 54.9,81.49 54.66,81.73 54.68,81.74 55.75,81.74 57.96,79.53 57.96,78.43
Net-(D19-DOUT): length 9.3
  Top w0.4: D20.4 58.09,85.64 58.07,85.63 58.07,84.5 58.67,83.9 62.1,83.9 62.99,83.01 D19.2
Net-(D20-DOUT): length 14.4
  Top w0.4: D22.4 50.22,87.02 52.25,89.06 59.94,89.06 61.21,90.32 D20.2
Net-(D21-DIN): length 5.4
  Top w0.4: 49.76,78.43 49.76,79.6 47.64,81.73 46.46,81.73
Net-(D22-DOUT): length 14.4
  Top w0.4: 54.82,90.17 51.66,90.17 50.03,88.55 43.58,88.55 42.05,87.02 D24.4
Net-(D23-DIN): length 5.3
  Top w0.4: 41.56,78.43 41.56,79.54 39.38,81.73 38.27,81.73
Net-(D24-DOUT): length 14.4
  Top w0.4: D26.4 33.89,87.02 35.1,88.24 41.72,88.24 43.63,90.14 46.65,90.14
Net-(D25-DOUT): length 5.3
  Top w0.4: 33.37,78.43 33.37,79.49 31.24,81.62 30.18,81.62 30.07,81.73
Net-(D26-DOUT): length 14.4
  Top w0.4: 38.49,89.99 35.35,89.99 33.72,88.37 26.94,88.37 25.59,87.02 D28.4
Net-(D28-DOUT): length 10.8
  Top w0.381: D28.2 27.49,90.32 25.97,88.8 24.19,88.8 22.67,90.32 J14.1
Net-(J5-Pin_4): length 10
  Top w0.4: 7.12,95.81 7.12,90.71 4.93,88.52 3.36,88.52 3.19,88.69
Net-(KEY1-Pad1): length 26.2
  Top w0.4: v1(75.3,3.66) 75.13,3.49 KEY1.1 ; 66.22,15.54 66.48,15.81 77.34,15.81 v1(77.63,15.52)
  Bottom w0.4: v1(75.3,3.66) 75.3,12.52 77.63,14.85 v1(77.63,15.52)
Net-(LED1-A): length 5.2
  Top w0.4: U3.2 72.86,8.17 LED2.2 73.1,5.98 LED1.1
Net-(LED1-K): length 17.9
  Top w0.4: v1(76.31,15.01) 74.98,13.67 LED1.2 ; U3.4 71.39,10.71 71.92,11.25 v1(71.92,12.45)
  Bottom w0.4: v1(76.31,15.01) 76.24,15.01 73.68,12.45 v1(71.92,12.45)
Net-(LED3-A): length 5.6
  Top w0.4: LED4.2 73.11,13.27 LED3.1 71.74,9.44 U3.3
Net-(LED5-A): length 2.4
  Top w0.4: LED5.1 68.16,13.91 R11.1
